# Altium PCB IoTracking_PCB.PcbDoc (part 2 of 2)
Units mil, origin at the board's own origin, x right, y up, seen from the top; angles counter-clockwise.
Board outline 2755.91 x 2755.91 mil, 4 copper layers (Top Layer, GroundPlane, PowerPlane, Bottom Layer), stack 58.4 mil thick; 94 components, 53 nets, 311 pads, 167 vias.
Unrouted connection lines stored in the file: 53.
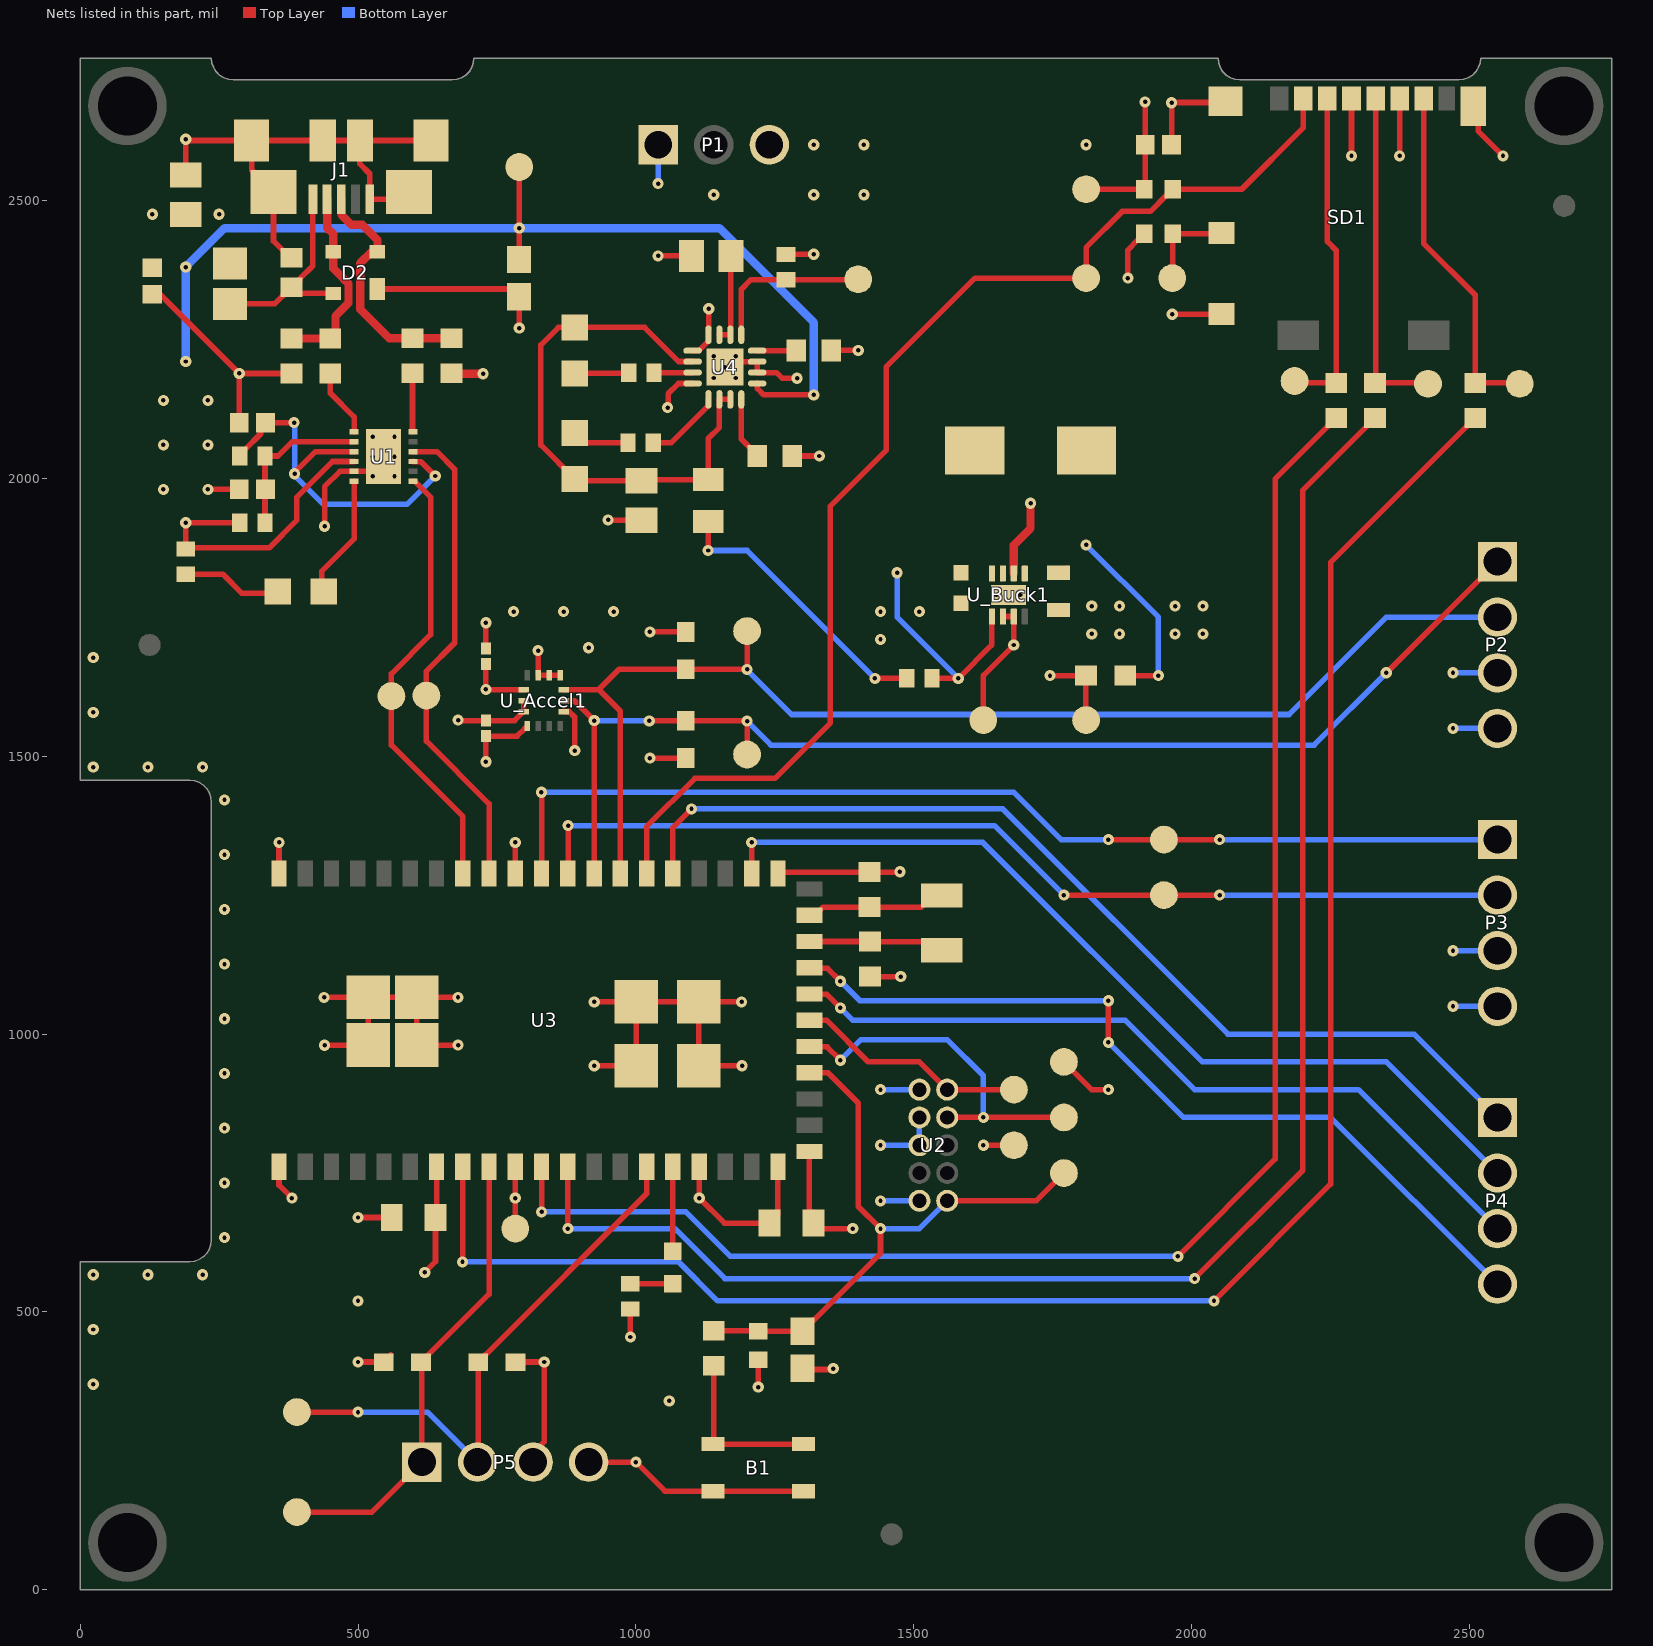
[diagram p4: the nets of this part, all layers, seen from the top]

## Via types
v1: diameter 20, hole 8, Top Layer to Bottom Layer, 120 vias
v2: diameter 20, hole 8, Top Layer to Bottom Layer, tented both sides, 36 vias
v3: diameter 19.68, hole 7.87, Top Layer to Bottom Layer, 6 vias
v4: diameter 19.68, hole 7.87, Top Layer to Bottom Layer, tented top, 5 vias

## Nets (pads, with @x,y where several pads share a name; then routed paths per layer and width w, separated by ;. In a path a pad name is that pad's centre, name@x,y a point inside that pad or via, vN(x,y) a via of type N, cw(c..) or ccw(c..) an arc to the next point about the centre after c; other vN are vias at no path point)
"1.8 Vout": C_B1.2 L_B1.2 R_B1.2 U_Buck1.5 | length 377.1
  Top Layer w10: U_Buck1.5@1699.53,1828.78 U_Buck1.5@1699.53,1828.88 ; U_Buck1.5@1699.53,1837.83 U_Buck1.5@1699.53,1828.88 ; U_Buck1.5@1700.04,1829.39 U_Buck1.5@1699.53,1828.88 ; C_B1.2@1760,1830 1767.87,1830 C_B1.2@1775.67,1837.8 ; R_B1.2@1880.43,1645 v1(1940,1645)
  Bottom Layer w10: v1(1810,1880) 1940,1750 v1(1940,1645)
3V3: C8.1 C9.2 C13.2 C_A1.1 C_A2.1 P2.3 P3.4 P5.3 R11.1 R12.2 R14.2 R15.2 R_A1.1 R_A2.1 R_B1.1 R_O1.1 R_O2.1 SD1.4 TP6.1 TP11.1 TP_BUCK_1.1 U2.1 U3.7 U3.21 U_Accel1.5 U_Accel1.8 U_Accel1.12 U_Buck1.6 | length 2354
  Top Layer w10: v1(500,410) R_O1.1@546.54,410 548.5,410 559.25,420.75 R_O1.1@559.25,422.72 ; v1(620,571.26) 639.37,590.63 C8.1@639.37,670 ; C8.1@640,669.37 641.28,670.65 U3.7@641.28,761.22 ; v1(730,1490) C_A2.1@730,1536.05 786.29,1536.05 800.12,1549.88 804.39,1549.88 804.47,1549.96 U_Accel1.8@804.47,1554.23 ; v1@730,1619.68 U_Accel1.5@798.07,1619.68 ; v1(730,1620) C_A1.1@730,1666.05 ; R_O2.1@783.46,410 v1(835,410) 835,266.29 815,246.29 P5.3@815,230 ; U_Accel1.12@869.94,1580.31 879.69,1580.31 890,1570 v1(890,1510) ; v1(990,455) R11.1@990,505.36 ; v1(1025,1496.54) R_A1.1@1090,1496.54 ; v1(1025,1723.46) R_A2.1@1090,1723.46 ; v1(1220,365) R12.2@1220,414.41 ; U3.21@1312.18,788.62 1312.18,667.19 1329.37,650 v1(1390,650) ; C9.2@1318.04,679.61 1319.68,679.61 C9.2@1319.68,674.37 ; v1(1745,1645) R_B1.1@1809.57,1645 TP_BUCK_1.1@1809.57,1575.43 ; TP6.1@1770,950 1820,900 v1(1850,900) ; TP_BUCK_1.1@1797,1565 TP_BUCK_1.1@1797,1580 ; TP11.1@1810,2520 R14.2@1914.41,2520 1916.38,2521.97 C13.2@1916.38,2600 1916.38,2676.62 v1(1916,2677) ; v1(1885,2360) 1885,2410.59 1902.68,2428.27 1904.65,2428.27 1914.41,2438.03 R15.2@1914.41,2440 ; v2(2287.38,2580) SD1.4@2287.38,2683.09
  Top Layer w15: U_Buck1.6@1679.84,1828.78 1679.84,1879.84 1710,1910 v2(1710,1955)
  Bottom Layer w10: v1(1440,900) U2.1@1510,900 ; v2(2470,1050) P3.4@2550,1050 ; v2(2470,1650) P2.3@2550,1650
  other v1: 1060,340 500,520 915,1695 780,1760 870,1760 960,1760 1810,2600
BQ_BAT_TS_1: R7.1 TP5.1 U4.1 | length 299.6
  Top Layer w10: U4.1@1189.53,2258.07 1189.53,2339.53 1207.36,2357.36 R7.1@1270,2357.36 1399.36,2357.36 TP5.1@1400,2358
BQ_ILIM_1: R18.2 U4.12 | length 113.9
  Top Layer w10: U4.12@1189.53,2141.93 1189.53,2070.94 1218.5,2041.97 R18.2@1218.5,2040
BQ_ISET_1: R19.2 U4.16 | length 70.6
  Top Layer w10: U4.16@1218.07,2229.53 1288.03,2229.53 R19.2@1288.5,2230
Buck_Vin: C_B2.1 RJ1.2 U_Buck1.1 U_Buck1.8 | length 421
  Top Layer w10: RJ1.2@1532.64,1640 v1(1580,1640) 1640,1700 1640,1750.75 U_Buck1.1@1640.47,1751.22 ; U_Buck1.8@1639.96,1830 1640.47,1829.49 U_Buck1.8@1640.47,1828.78
  Bottom Layer w10: v1@1470,1830.35 1470,1750 v1(1580,1640)
  other v1: 1470,1830
CBUS0_1: D1.1 U1.6 | length 235.4
  Top Layer w10: D1.1@441.85,1799.85 D1.1@438.43,1796.43 435,1793 435,1833 492.85,1890.85 U1.6@492.85,1994.71
EP1_1: P4.1 U3.36 | length 1813.7
  Top Layer w10: U3.36@1066.48,1288.78 1066.48,1371.48 v1(1100,1405) ; v1@1096.31,1400 v1@1100,1400
  Bottom Layer w10: v1(1100,1405) 1660,1405 2065,1000 2400,1000 P4.1@2550,850
EP2_1: P4.2 U3.33 | length 1644.8
  Top Layer w10: v1(1208,1345) 1208,1288.99 U3.33@1208.21,1288.78
  Bottom Layer w10: v1(1208,1345) 1624,1345 2019,950 2350,950 P4.2@2550,750
EP3_1: P4.3 U3.27 | length 1412.6
  Top Layer w10: U3.27@1312.18,1072.09 1312.27,1072 1343,1072 v1(1368,1047)
  Bottom Layer w10: v1(1368,1047) 1390,1025 1880,1025 2005,900 2300,900 P4.3@2550,650
EP4_1: P4.4 U3.28 | length 1517.6
  Top Layer w10: U3.28@1312.18,1119.33 1313.46,1118.05 1344.95,1118.05 v1(1368,1095) ; v1(1850,985) v1(1850,1060)
  Bottom Layer w10: v1(1368,1095) 1403,1060 v1(1850,1060) ; v1(1850,985) 1985,850 2250,850 P4.4@2550,550
FLASH_MEM_SPI_SS: R14.1 SD1.2 TP16.1 U3.37 | length 2188.9
  Top Layer w10: U3.37@1019.23,1288.78 1019.23,1373.23 1106,1460 1250,1460 1350,1560 1350,1950 1450,2050 1450,2200 1610,2360 TP16.1@1810,2360 1810,2415 1875,2480 1925.59,2480 1953.86,2508.27 1955.83,2508.27 1965.59,2518.03 R14.1@1965.59,2520 2090,2520 2200.77,2630.77 SD1.2@2200.77,2683.09
GND: B1.3 B1.4 C1.1 C2.1 C3.1 C4.1 C5.1 C6.1 C7.1 C8.2 C9.1 C10.1 C11.1 C12.1 C13.1 C14.1 C15.1 C16.2 C_A1.2 C_A2.2 C_B1.1 C_B2.2 D2.1 J1.5 J1.6 J1.7 J1.8 J1.9 J1.10 J1.11 P1.1 P2.4 P3.3 P5.4 R7.2 R18.1 R19.1 SD1.6 SD1.10 SD1.11 SD1.12 TP3.1 TP7.1 TP_BUCK_2.1 U1.5 U1.13 U2.3 U2.5 U2.9 U3.0 U3.1 U3.10 U3.17 U3.20 U3.32 U3.42 U3.51 U4.4 U4.5 U4.8 U4.14 U4.15 U4.17 U_Accel1.1 U_Accel1.2 U_Accel1.3 U_Accel1.6 U_Accel1.7 U_Buck1.2 U_Buck1.3 U_Buck1.9 U_Buck1.9_1 U_Buck1.9_2 | length 6710.1
  Top Layer w10: C3.1@130,2331.38 130.62,2332 143,2332 154.58,2320.42 154.58,2320.3 v1(286.38,2188.5) ; C4.1@190,2545.43 v1(190,2610) 192.34,2607.66 J1.10@308.58,2607.66 ; v1(230,1980) C7.1@286.38,1980 ; C1.1@286.38,2100 v1(286.38,2188.5) ; v1@357,1346 357.81,1345.19 U3.51@357.81,1288.78 ; U3.1@357.81,761.22 357.81,728.19 v1(381,705) ; C5.1@380,2188.5 v1(286.38,2188.5) ; C2.1@380,2396.57 378.03,2396.57 347.95,2426.65 J1.11@347.95,2515.14 345.98,2515.14 311.61,2549.51 311.61,2551.48 308.58,2554.51 J1.10@308.58,2607.66 ; v2(439.13,1066.13) U3.0@518.25,1066.13 ; v2(440,980) 518.03,980 U3.0@518.25,980.22 U3.0@518.25,1066.13 ; v1(440,1913.72) 440,1984.8 467.63,2012.43 U1.5@492.85,2012.43 519.5,2012.43 526.32,2005.61 v3(526.32,2003.57) ; v1(500,670) C8.2@560.63,670 ; D2.1@534.37,2340.47 776.06,2340.47 C14.1@790,2326.54 v1(790,2270) ; J1.6@592.05,2515.14 579.25,2502.34 J1.5@521.18,2502.34 521.18,2547.82 503,2566 J1.8@503,2607.19 ; J1.7@631.42,2607.66 J1.8@503.46,2607.66 J1.8@503,2607.19 ; C6.1@668,2189.01 C6.1@669.01,2188 ; v2(679.87,1066.13) U3.0@605.57,1066.13 ; v2(680,980.22) U3.0@605.57,980.22 U3.0@605.57,1066.13 ; v1(680,1565) 681.05,1563.95 C_A2.2@730,1563.95 781.71,1563.95 U_Accel1.7@798.07,1580.31 U_Accel1.6@798.07,1600 ; C_A1.2@730,1693.95 v1(730,1740) ; TP3.1@782.99,650.01 v1(783,705) U3.10@783,761.21 ; U3.42@783.01,1288.78 v1@783.01,1344.99 ; v1@820,1690 820,1686.31 824.16,1682.16 U_Accel1.3@824.16,1645.77 U_Accel1.2@843.84,1645.77 U_Accel1.1@863.53,1645.77 ; P5.4@915,230 v1(1000,230) 1052.32,177.68 B1.4@1301.69,177.68 ; v2(925,943) 925.1,942.9 U3.0@1000.77,942.9 U3.0@1000.77,1058.02 ; v2@925.02,1058.02 U3.0@1000.77,1058.02 ; v1(950,1925) 950.43,1924.57 C15.1@1010,1924.57 ; v1(1040,2400) C16.2@1100,2400 ; v1(1057,2127) 1058,2128 1058,2152 1076.47,2170.47 U4.8@1101.93,2170.47 ; U4.5@1101.93,2229.53 1113.15,2229.53 1130.47,2246.85 U4.4@1130.47,2258.07 1130.47,2269.57 1131,2270.1 v1(1131,2305) ; v1@1113.72,706.28 U3.17@1113.72,761.22 ; v1(1114,705) 1159,660 C9.1@1240.63,660 1255.32,674.69 1255.32,685.33 1255.45,685.46 U3.20@1255.45,761.22 ; v1@1130,2300 v1@1130.47,2299.53 ; v4(1140.32,2180.31) v4(1160,2200) ; v4(1140.31,2219.68) v4(1160,2200) ; v4(1179.69,2180.31) v4(1160,2200) ; v2@1189.98,1058.02 U3.0@1113.17,1058.02 ; v2(1191,943) 1190.9,942.9 U3.0@1113.17,942.9 U3.0@1113.17,1058.02 ; U3.32@1255.45,1288.78 1258.17,1291.5 C12.1@1420,1291.5 1468.5,1291.5 v1@1470,1290 ; R7.2@1270,2402.64 1319.64,2402.64 v1(1320,2403) ; R18.1@1281.5,2040 v1(1330,2040) ; v1(1290,2180) 1263,2180 1252.84,2190.16 U4.14@1218.07,2190.16 U4.15@1218.07,2209.84 1188.46,2209.84 1179.68,2218.62 v4(1179.68,2219.68) v4(1160,2200) ; C10.1@1300,396.54 1353.54,396.54 v1(1355,398) ; R19.1@1351.5,2230 v1(1400,2230) ; C11.1@1418.03,1098.5 C11.1@1420,1098.5 ; C11.1@1421,1103.5 v1(1476.5,1103.5) ; v1(1625,800) TP7.1@1690,800 ; TP_BUCK_2.1@1625,1565 1625,1645.16 v1(1679.84,1700) U_Buck1.3@1679.84,1751.22 U_Buck1.2@1660.16,1751.22 ; C13.1@1963.62,2600 v1(1963.62,2675.62) 1964,2676 2058.35,2676 2058.4,2675.96 SD1.11@2060.61,2678.17 ; v1(1965,2295) 1965.3,2295.3 SD1.10@2053.72,2295.3 ; v2(2374,2580) SD1.6@2374,2683.09 ; SD1.12@2506.28,2669.31 2515.26,2660.33 2515.26,2624.74 v1(2560,2580) ; J1.10@308.58,2607.66 J1.9@436.54,2607.66 502.54,2607.66 J1.8@503,2607.19 ; U3.0@518.25,1066.13 U3.0@605.57,1066.13 ; U3.0@1000.77,1058.02 U3.0@1113.17,1058.02
  Top Layer w15: C6.1@669.01,2188 v1(725,2188)
  Bottom Layer w10: v2(1040,2530) P1.1@1040,2600 ; v1(1440,700) U2.9@1510,700 ; v1(1440,800) U2.5@1510,800 U2.3@1510,850 ; v2(2470,1150) P3.3@2550,1150 ; v2(2470,1550) P2.4@2550,1550
  other v1: 1475,1292 358,1345 783,1345 824,1690 1440,1710 1820,1720 1870,1720 1970,1720 2020,1720 1440,1760 1510,1760 1820,1770 1870,1770 1970,1770 2020,1770
  other v2: 23.62,370.08 23.62,468.5 23.62,566.93 122.05,566.93 220.47,566.93 259.84,633.86 259.84,732.28 259.84,830.71 259.84,929.13 259.84,1027.56 925,1058 1190,1058 259.84,1125.98 259.84,1224.41 259.84,1322.83 259.84,1421.26 23.62,1480.31 122.05,1480.31 220.47,1480.31 23.62,1578.74 23.62,1677.17
  other v3: 565.68,2003.57 526.32,2039 565.68,2039 526.32,2074.43 565.68,2074.43
MCU_LED: DS1.1 U3.16 | length 151.9
  Top Layer w10: DS1.1@1066,609.53 1066.48,610 U3.16@1066.48,761.22
MCU_RESET: C10.2 R12.1 R13.2 TP10.1 U2.10 U3.24 | length 1119
  Top Layer w10: R13.2@1140,466.5 1209.09,466.5 R12.1@1210,465.59 ; R12.1@1220,465.59 1299.87,465.59 C10.2@1300,465.46 1300,468.42 1316.65,485.07 1319.61,485.07 1440,605.46 v1(1440,650) 1400,690 1400,876 1345.65,930.35 U3.24@1312.18,930.35 ; U2.10@1560,700 1720,700 TP10.1@1770,750
  Bottom Layer w10: v1(1440,650) 1510,650 U2.10@1560,700
MCU_RX_UART_CLI_1: TP4.1 U1.7 U3.44 | length 803.1
  Top Layer w10: U1.7@599.15,1994.71 601.94,1994.71 630.65,1966 630.65,1718.65 560,1648 TP4.1@560,1608.05 560,1520 688.52,1391.48 U3.44@688.52,1288.78
MCU_TX_UART_CLI_1: TP2.1 U1.10 U3.43 | length 879.3
  Top Layer w10: U1.10@599.15,2047.86 642.14,2047.86 674,2016 ; 674,2012.24 674,1704 623,1653 623,1527 735.77,1414.23 U3.43@735.77,1288.78
MEM_SPI_CLK: R10.2 SD1.5 TP15.1 | length 597.5
  Top Layer w10: R10.2@2330,2171.5 2423.5,2171.5 TP15.1@2425,2170 ; R10.2@2330,2181.5 2330.69,2182.19 SD1.5@2330.69,2683.09
MEM_SPI_MISO: R9.2 SD1.7 TP14.1 | length 630.6
  Top Layer w10: SD1.7@2417.3,2683.09 2417.3,2422.7 2510,2330 R9.2@2510,2171.5 2588.5,2171.5 TP14.1@2590,2170
MEM_SPI_MOSI: R8.2 SD1.3 TP13.1 | length 594.6
  Top Layer w10: TP13.1@2185,2175 2188.5,2171.5 R8.2@2260,2171.5 2260,2410 2244.07,2425.93 SD1.3@2244.07,2683.09
NetB1_1: B1.1 B1.2 R13.1 | length 305.3
  Top Layer w10: R13.1@1140,403.5 1140,264.02 B1.1@1138.31,262.32 B1.2@1301.69,262.32
NetD1_2: D1.2 R3.1 | length 176.6
  Top Layer w10: R3.1@190,1827.36 256.64,1827.36 291,1793 D1.2@352.32,1793
NetD3_1: D3.1 R16.2 | length 102.9
  Top Layer w10: D3.1@890,2081.34 907.34,2064 R16.2@985.72,2064
NetD4_1: D4.1 R17.2 | length 97.9
  Top Layer w10: D4.1@890,2188.66 986.02,2188.66 R17.2@987.36,2190
NetDS1_2: DS1.2 R11.2 | length 76.1
  Top Layer w10: R11.2@990,550.64 1065.83,550.64 DS1.2@1066,550.47
NetL_B1_1: L_B1.1 U_Buck1.7 | length 5.1
  Top Layer w10: L_B1.1@1606,2046.39 L_B1.1@1609.61,2050
NetR16_1: R16.1 U4.9 | length 138.3
  Top Layer w10: R16.1@1031,2064 1063.76,2064 1130.47,2130.71 U4.9@1130.47,2141.93
NetR17_1: R17.1 U4.7 | length 69.4
  Top Layer w10: R17.1@1032.64,2190 1032.8,2190.16 U4.7@1101.93,2190.16
RS_1: C7.2 R4.2 R5.2 U1.2 | length 291.6
  Top Layer w10: R5.2@332.64,1920 332.64,1979.02 C7.2@333.62,1980 332.64,1980.98 R4.2@332.64,2040 356,2040 381.57,2065.57 U1.2@492.85,2065.57
SD_CARD_DETECT: R15.1 SD1.9 TP12.1 | length 168.8
  Top Layer w10: TP12.1@1965,2360 1965.59,2360.59 R15.1@1965.59,2440 2052.76,2440 SD1.9@2053.72,2440.96
SERCOM0_I2C_SCL_1: P2.1 R_A1.2 TP_ACC_1.1 U3.39 U_Accel1.13 | length 2185.2
  Top Layer w10: U_Accel1.13@869.93,1600 889,1600 v1(925,1564) 925,1289.04 U3.39@924.74,1288.78 ; v1(1024.07,1563.46) R_A1.2@1090,1563.46 1199.54,1563.46 v1(1200,1563) TP_ACC_1.1@1200,1503 ; v1(2350,1650) P2.1@2550,1850
  Bottom Layer w10: v1(925,1564) 1023.53,1564 v1(1024.07,1563.46) ; v1(1200,1563) 1243,1520 2220,1520 v1(2350,1650)
SERCOM0_I2C_SDA_1: P2.2 R_A2.2 TP_ACC_2.1 U3.38 U_Accel1.14 | length 2213.2
  Top Layer w10: U_Accel1.14@869.93,1619.68 933.15,1619.68 ; U3.38@971.99,1288.78 971.99,1580.85 933.15,1619.68 ; TP_ACC_2.1@1200,1720 v1(1200,1656) 1199.46,1656.54 R_A2.2@1090,1656.54 970,1656.54 933.15,1619.68
  Bottom Layer w10: v1(1200,1656) 1200,1655 1280,1575 2175,1575 2350,1750 P2.2@2550,1750
SERCOM1_PAD2_SPI_MISO: R9.1 U3.8 | length 3336.8
  Top Layer w10: v1(688,590) 688.52,590.52 U3.8@688.52,761.22 ; v1(2040,520) 2250,730 2250,1848.5 2495.31,2093.82 2495.31,2095.79 2508.03,2108.5 R9.1@2510,2108.5
  Bottom Layer w10: v1(688,590) 1077,590 1147,520 v1(2040,520)
SERCOM1_PAD2_SPI_MOSI: R8.1 U3.11 | length 2886.8
  Top Layer w10: v1(830.26,680) U3.11@830.26,761.22 ; v1(1975,600) 2150,775 2150,1998.5 2245.31,2093.82 2245.31,2095.79 2258.03,2108.5 R8.1@2260,2108.5
  Bottom Layer w10: v1(830.26,680) 1090,680 1170,600 v1(1975,600)
SERCOM1_PAD3_SPI_SCK: R10.1 U3.12 | length 2960.3
  Top Layer w10: v1(877.5,650) U3.12@877.5,761.22 ; v1(2005,560) 2200,755 2200,1978.5 2315.31,2093.82 2315.31,2095.79 2328.03,2108.5 R10.1@2330,2108.5
  Bottom Layer w10: v1(877.5,650) 1070,650 1160,560 v1(2005,560)
SERCOM2_UART_RX_1: P3.1 TP_GPS_2.1 U3.41 | length 1896.5
  Top Layer w10: v1@830,1430 830.26,1429.74 U3.41@830.26,1288.78 ; v1(1850,1350) TP_GPS_2.1@1950,1350 v1(2050,1350)
  Bottom Layer w10: v1(830,1435) 1680,1435 1765,1350 v1(1850,1350) ; v1(2050,1350) P3.1@2550,1350
SERCOM2_UART_TX_1: P3.2 TP_GPS_1.1 U3.40 | length 1810.2
  Top Layer w10: U3.40@877.5,1288.78 878,1289.28 v1(878,1375) ; v1(1770,1250) TP_GPS_1.1@1950,1250 v1(2050,1250)
  Bottom Layer w10: v1(878,1375) 1645,1375 v1(1770,1250) ; v1(2050,1250) P3.2@2550,1250
SERCOM3_I2C_SCL_1: P5.1 R_O1.2 TP_OLED_1.1 U3.9 | length 835.9
  Top Layer w10: TP_OLED_1.1@390,140 525,140 P5.1@615,230 ; P5.1@615,240 615,408.46 R_O1.2@613.46,410 615.43,410 626.18,420.75 626.18,422.72 735.77,532.3 U3.9@735.77,761.22
SERCOM3_I2C_SDA_1: P5.2 R_O2.2 TP_OLED_2.1 U3.15 | length 1010.7
  Top Layer w10: TP_OLED_2.1@390,320 v1(500,320) ; P5.2@715,240 716.54,241.54 R_O2.2@716.54,410 718.5,410 729.25,420.75 729.25,422.72 1019.23,712.7 U3.15@1019.23,761.22
  Bottom Layer w10: v1(500,320) 625,320 P5.2@715,230
SWCLK: TP9.1 U2.4 U3.25 | length 650.3
  Top Layer w10: U3.25@1312.18,977.6 1312.78,977 1344,977 v1(1368,953) ; U2.4@1560,850 TP9.1@1770,850
  Bottom Layer w10: v1(1368,953) 1405,990 1560,990 1625,925 v1(1625,850)
SWDIO: TP8.1 U2.2 U3.26 | length 431.6
  Top Layer w10: U3.26@1312.18,1024.84 1312.29,1024.95 1343,1024.95 1417.95,950 1510,950 U2.2@1560,900 TP8.1@1690,900 ; U2.2@1554.91,913.1 U2.2@1556.9,913.1
USB_DATA_N: C5.2 D2.3 J1.2 R1.1 | length 350.4
  Top Layer w15: C5.2@380,2251.5 R1.1@450,2251.5 459.43,2260.92 459.43,2291.71 482.91,2315.2 482.91,2350 474,2358.91 474,2359 455.63,2377.37 D2.3@455.63,2407.4 455.63,2439.37 444.41,2450.59 J1.2@444.41,2502.34
USB_DATA_P: C6.2 D2.2 J1.3 R2.1 | length 436.8
  Top Layer w15: J1.3@470,2502.34 470.37,2501.97 470.37,2474.02 488.39,2456 508,2456 535,2429 D2.2@535,2410 ; 504,2304 504,2387 523,2406 532.97,2406 D2.2@534.37,2407.4 D2.2@533.77,2408 ; 505.53,2302.47 556,2252 C6.2@668,2252
USB_FTDI_DATA_1_N: R1.2 U1.1 | length 123
  Top Layer w10: R1.2@450,2188.5 450,2153 492.85,2110.15 U1.1@492.85,2083.29
USB_FTDI_DATA_1_P: R2.2 U1.12 | length 105.7
  Top Layer w10: U1.12@598,2083.29 R2.2@598,2189.01
VBAT: C16.1 P1.3 U4.2 U4.3 | length 167.9
  Top Layer w10: U4.3@1150.16,2258.07 U4.2@1169.84,2258.07 1169.84,2269.57 1170.87,2270.59 C16.1@1170.87,2400 C16.1@1170.87,2405.91
  other v1: 1320,2510 1410,2510 1320,2600 1410,2600
  other v2: 1140,2510
VBUS: C2.2 D2.4 FB1.1 J1.1 | length 379.8
  Top Layer w10: FB1.1@270,2313.56 350.13,2313.56 365.31,2328.74 365.31,2330.71 378.03,2343.43 C2.2@380,2343.43 ; J1.1@418.82,2502.34 418.82,2382.24 394.69,2358.11 394.69,2356.14 381.97,2343.43 C2.2@380,2343.43 ; D2.4@455.63,2332.6 390.83,2332.6 C2.2@380,2343.43
VCCIO_1: C1.2 R4.1 U1.3 U1.9 | length 694.3
  Top Layer w10: R4.1@287.36,2040 287.36,2042.95 296.14,2051.73 296.73,2051.73 325,2080 325,2091.38 C1.2@333.62,2100 v1(385,2100) ; v1(386,2008) 386,2010 423.86,2047.86 U1.3@492.85,2047.86 ; U1.9@599.15,2030.14 599.23,2030.06 612.94,2030.06 v1(639,2004)
  Bottom Layer w10: v1(385,2100) 386,2099 v1(386,2008) ; v1@386,2005.29 438.29,1953 588,1953 v1(639,2004)
VOUT: R6.2 RJ1.1 | length 505.2
  Top Layer w10: v1(1130,1870) R6.2@1130,1922.6 ; v1(1430,1640) RJ1.1@1487.36,1640
  Bottom Layer w10: v1(1130,1870) 1200,1870 v1(1430,1640)
Vout_BQ: C15.2 D3.2 D4.2 R6.1 U4.6 U4.10 U4.11 | length 992.7
  Top Layer w10: U4.6@1101.93,2209.84 1101.73,2210.04 1076.96,2210.04 1015.66,2271.34 D4.2@890,2271.34 860.34,2271.34 829,2240 829,2059.66 D3.2@890,1998.66 893.23,1995.43 C15.2@1010,1995.43 1011.97,1997.4 R6.1@1130,1997.4 1130,2071 1150.16,2091.16 U4.10@1150.16,2141.93 U4.11@1169.84,2141.93
VUSB: C3.2 C4.2 C14.2 FB1.2 R3.2 R5.1 TP1.1 U1.4 U4.13 | length 2343.7
  Top Layer w10: C3.2@130,2378.62 C3.2@131.38,2380 ; FB1.2@263.56,2380 FB1.2@270,2386.44 ; R5.1@287.36,1920 v1(190,1920) 190,1878.15 193.15,1875 340.44,1875 390,1924.56 390,1966 454.14,2030.14 U1.4@492.85,2030.14 ; C14.2@790,2403.46 v1(790,2450) TP1.1@790,2560 ; U4.13@1218.07,2170.47 1218.53,2170.47 1218.53,2161.47 1230,2150 v1@1319.14,2150
  Bottom Layer w15: v1(190,2210) v1(190,2380) 260,2450 v1(790,2450) 1150,2450 1320,2280 v1(1320,2150)
  other v1: 150,1980 150,2060 230,2060 150,2140 230,2140 130,2475 250,2475
XIN_32_1: C11.2 U3.29 X1.1 | length 245.4
  Top Layer w10: U3.29@1312.18,1166.57 1414.92,1166.57 C11.2@1420,1161.5 ; C11.2@1421,1166.5 1534.29,1166.5 X1.1@1550,1150.79
XOUT_32_1: C12.2 U3.30 X1.2 | length 253.5
  Top Layer w10: U3.30@1312.18,1213.82 1322.03,1213.82 U3.30@1330.81,1222.6 ; U3.30@1330.81,1222.65 1336.67,1228.5 C12.2@1420,1228.5 1513.54,1228.5 1534.25,1249.21 X1.2@1550,1249.21 X1.2@1549.29,1248.5
pads on no net: FD1. FD2. FD3. J1.4 P1.2 SD1.1 SD1.8 SD1.13 SD1.14 U1.8 U1.11 U2.6 U2.7 U2.8 U3.2 U3.3 U3.4 U3.5 U3.6 U3.13 U3.14 U3.18 U3.19 U3.22 U3.23 U3.31 U3.34 U3.35 U3.45 U3.46 U3.47 U3.48 U3.49 U3.50 U_Accel1.4 U_Accel1.9 U_Accel1.10 U_Accel1.11 U_Buck1.4

## Polygon pours and split planes (outlines as drawn)
3V3 on PowerPlane "3V3_L03_P005" (solid, pour order 5): 1490,2720.43 2755.91,2720.43 2755.91,0 270,0 270,1890 1490,1890
VUSB on PowerPlane "VUSB_L03_P001" (solid, pour order 1): 0,2716.54 850,2716.54 850,2030 0,2030
VUSB on PowerPlane "VUSB_L03_P007" (solid, pour order 7): 837.5,2465 1480,2465 1480,1900 836.49,1900
VUSB on PowerPlane "VUSB_L03_P010" (solid, pour order 10): 0,2041 0,1796 63,1796 82,1796 260,1796 260,1900 850,1900 850,2041
VBAT on PowerPlane "VBAT_L03_P003" (solid, pour order 3): 860,2760 1480,2760 1480,2475 860,2475
GND on Top Layer "GND_L01_P024" (solid, remove dead copper, pour order 24): -37.58,2785 2790,2785 2790,-30 -32.64,-30
"1.8 Vout" on Top Layer "1.8_VOUT_L01_P012" (solid, pour order 12): 1694,1814.28 1694,1857 1756,1919 1756,2190 1870,2190 2000,2060 2000,1813.51
Buck_Vin on Top Layer "BUCK_VIN_L01_P013" (solid, pour order 13): 1586.63,1802 1400,1802 1400,1935 1555,1935 1646,1843 1646,1814.23 1598.86,1814.23
NetL_B1_1 on Top Layer "NETL_B1_1_L01_P014" (solid, pour order 14): 1500,2190 1500,2005.99 1654.55,1849.8 1654.55,1814.15 1665.81,1814.15 1665.01,2190
GND on Top Layer "GND_L01_P015" (solid, pour order 15): 1400,1788.95 1583.73,1788.95 1602.87,1808.1 1707.72,1808.1 1721.32,1808.1 2051.14,1808.1 2051.14,1689.47 1796.66,1690.5 1717.72,1771.95 1626.95,1771.95 1623.3,1768.3 1623.16,1738.34 1561.5,1680 1400,1680
VUSB on Top Layer "VUSB_L01_P016" (solid, pour order 16): 110,2510 110,1860 305,1860 305,2510
VBAT on Top Layer "VBAT_L01_P017" (solid, pour order 17): 1090,2670 1090,2240 1460,2240 1460,2670
3V3 on Top Layer "3V3_L01_P018" (solid, pour order 18): 650,1800 650,1440 660,1450 1160,1450 1160,1800
3V3 on Top Layer "3V3_L01_P019" (solid, pour order 19): 1700,1675 1700,1525 1850,1525 1850,1675
3V3 on Top Layer "3V3_L01_P020" (solid, pour order 20): 460,700 460,125 1390,125 1390,700
3V3 on Top Layer "3V3_L01_P021" (solid, pour order 21): 1760,2700 1760,2320 2340,2320 2340,2700
GND on GroundPlane "GND_L02_P006" (solid, pour order 6): 0,2720.43 2750,2720.43 2750,0 10,0 0,10 0,570 255,570 255,1475 0,1475

## Silkscreen, mask and mechanical layers (free items; w line width, h text height)
Top Overlay:
  drawing of 9 lines, arcs and shapes, not listed
  text "Z" at 259,1624 h15
  text "Y" at 416,1623 h15
  text "X" at 259,1534 h15
  text "ESE516 - IoTracking  / Weihao Huang / Mingyan Zhou" at 2100,240 h20
Bottom Overlay:
  drawing of 40 lines, arcs and shapes, not listed
  text "Board Rev 1.0 / Assembly Rev 1.0" at 2350,370 h20
Top Solder:
  rectangle: 1491,685 1579,915
  rectangle: 2154,2658 2498,2707
  rectangle: 418,2473 528,2531
  rectangle: 797,1563 871,1633
  rectangle: 786,1574 882,1625
  rectangle: 801,1542 870,1657
  rectangle: 1640,1734 1700,1846
  rectangle: 1123,2153 1132,2174
  rectangle: 1110,2163 1132,2174
  rectangle: 1187,2163 1208,2174
  rectangle: 1187,2154 1197,2174
  rectangle: 1190,2223 1212,2237
  rectangle: 1188,2226 1197,2247
  rectangle: 1123,2219.68 1141.31,2246
  rectangle: 1115,2219.68 1140.31,2237
  rectangle: 1130,2130 1190,2270
  rectangle: 1090,2170 1230,2230
Bottom Solder:
  rectangle: 1491,686 1580,913
  rectangle: 1140.15,2180.31 1181,2219
Board Layer:
  the board outline again, w10
Board Shape:
  the board outline again, w10
Drill Drawing:
  circle w10: c-2214.38,3465.83 r33.33
  lines w10: -2247.71,3132.5 -2214.38,3149.17 -2181.04,3132.5 -2197.71,3165.83 -2181.04,3199.17 -2214.38,3182.5 -2247.71,3199.17 -2231.04,3165.83 -2247.71,3132.5 ; -2247.71,3349.17 -2181.04,3349.17 -2214.38,3282.5 -2247.71,3349.17 ; -2247.71,3582.5 -2181.04,3582.5 -2181.04,3649.17 -2247.71,3649.17 -2247.71,3582.5 ; -2247.71,3749.17 -2231.04,3749.17 -2214.38,3732.5 -2197.71,3749.17 -2181.04,3749.17 -2197.71,3765.83 -2181.04,3782.5 -2197.71,3782.5 -2214.38,3799.17 -2231.04,3782.5 -2247.71,3782.5 -2231.04,3765.83 -2247.71,3749.17
  lines w15: -2307.5,3087.5 8283.56,3087.5 ; -2307.5,3837.5 8283.56,3837.5 ; -1756.62,2937.5 -1756.62,3987.5 ; -1156.78,2937.5 -1156.78,3987.5 ; -7.12,2937.5 -7.12,3987.5 ; 498.76,2937.5 498.76,3987.5 ; 1232.56,2937.5 1232.56,3987.5 ; 2732.11,2937.5 2732.11,3987.5 ; 3321.96,2937.5 3321.96,3987.5 ; 4067.76,2937.5 4067.76,3987.5 ; 4717.58,2937.5 4717.58,3987.5 ; 5571.35,2937.5 5571.35,3987.5 ; 6904.96,2937.5 6904.96,3987.5 ; -2307.5,2937.5 8283.56,2937.5 8283.56,3987.5 -2307.5,3987.5 -2307.5,2937.5
  text "Symbol" at -2217.5,3882.5 h72
  text "Count" at -1711.62,3882.5 h72
  text "Hole Size" at -1111.78,3882.5 h72
  text "Plated" at 37.88,3882.5 h72
  text "Hole Type" at 543.76,3882.5 h72
  text "Drill Layer Pair" at 1277.56,3882.5 h72
  text "Via/Pad" at 2777.11,3882.5 h72
  text "Pad Shape" at 3366.96,3882.5 h72
  text "Template" at 4112.76,3882.5 h72
  text "Description" at 4762.58,3882.5 h72
  text "Hole Tolerance (+)" at 5616.35,3882.5 h72
  text "Hole Tolerance (-)" at 6949.96,3882.5 h72
  text "4" at -1711.62,3732.5 h60
  text "106.30mil (2.700mm)" at -1111.78,3732.5 h60
  text "PTH" at 37.88,3732.5 h60
  text "Round" at 543.76,3732.5 h60
  text "Top Layer - Bottom Layer" at 1277.56,3732.5 h60
  text "Pad" at 2777.11,3732.5 h60
  text "Rounded" at 3366.96,3732.5 h60
  text "c360h270" at 4112.76,3732.5 h60
  text "10" at -1711.62,3582.5 h60
  text "25.60mil (0.650mm)" at -1111.78,3582.5 h60
  text "PTH" at 37.88,3582.5 h60
  text "Round" at 543.76,3582.5 h60
  text "Top Layer - Bottom Layer" at 1277.56,3582.5 h60
  text "Pad" at 2777.11,3582.5 h60
  text "Rounded" at 3366.96,3582.5 h60
  text "c101h65" at 4112.76,3582.5 h60
  text "13" at -1711.62,3432.5 h60
  text "7.87mil (0.200mm)" at -1111.78,3432.5 h60
  text "PTH" at 37.88,3432.5 h60
  text "Round" at 543.76,3432.5 h60
  text "Top Layer - Bottom Layer" at 1277.56,3432.5 h60
  text "(Mixed)" at 2777.11,3432.5 h60
  text "Rounded" at 3366.96,3432.5 h60
  text "(Mixed)" at 4112.76,3432.5 h60
  text "19" at -1711.62,3282.5 h60
  text "50.00mil (1.270mm)" at -1111.78,3282.5 h60
  text "PTH" at 37.88,3282.5 h60
  text "Round" at 543.76,3282.5 h60
  text "Top Layer - Bottom Layer" at 1277.56,3282.5 h60
  text "Pad" at 2777.11,3282.5 h60
  text "(Mixed)" at 3366.96,3282.5 h60
  text "(Mixed)" at 4112.76,3282.5 h60
  text "156" at -1711.62,3132.5 h60
  text "8.00mil (0.203mm)" at -1111.78,3132.5 h60
  text "PTH" at 37.88,3132.5 h60
  text "Round" at 543.76,3132.5 h60
  text "Top Layer - Bottom Layer" at 1277.56,3132.5 h60
  text "Via" at 2777.11,3132.5 h60
  text "Rounded" at 3366.96,3132.5 h60
  text "(Mixed)" at 4112.76,3132.5 h60
  text "202 Total" at -1711.62,2982.5 h60

## Dimensions
0,0 to 2755.91,0 on Mechanical 13
0,0 to 0,2755.91 on Mechanical 13

## Text inside footprints (layer, text, board x,y; h text height)
J1: Mechanical 1 "Board edge" at 250,2660 h7.87 r180